# Altium PCB Mutiple.PcbDoc (part 3 of 3)
Units mil, origin at the board's own origin, x right, y up, seen from the top; angles counter-clockwise.
Board outline 6720 x 5120 mil, 2 copper layers (Top Layer, Bottom Layer); 565 components, 296 nets, 1281 pads, 171 vias.
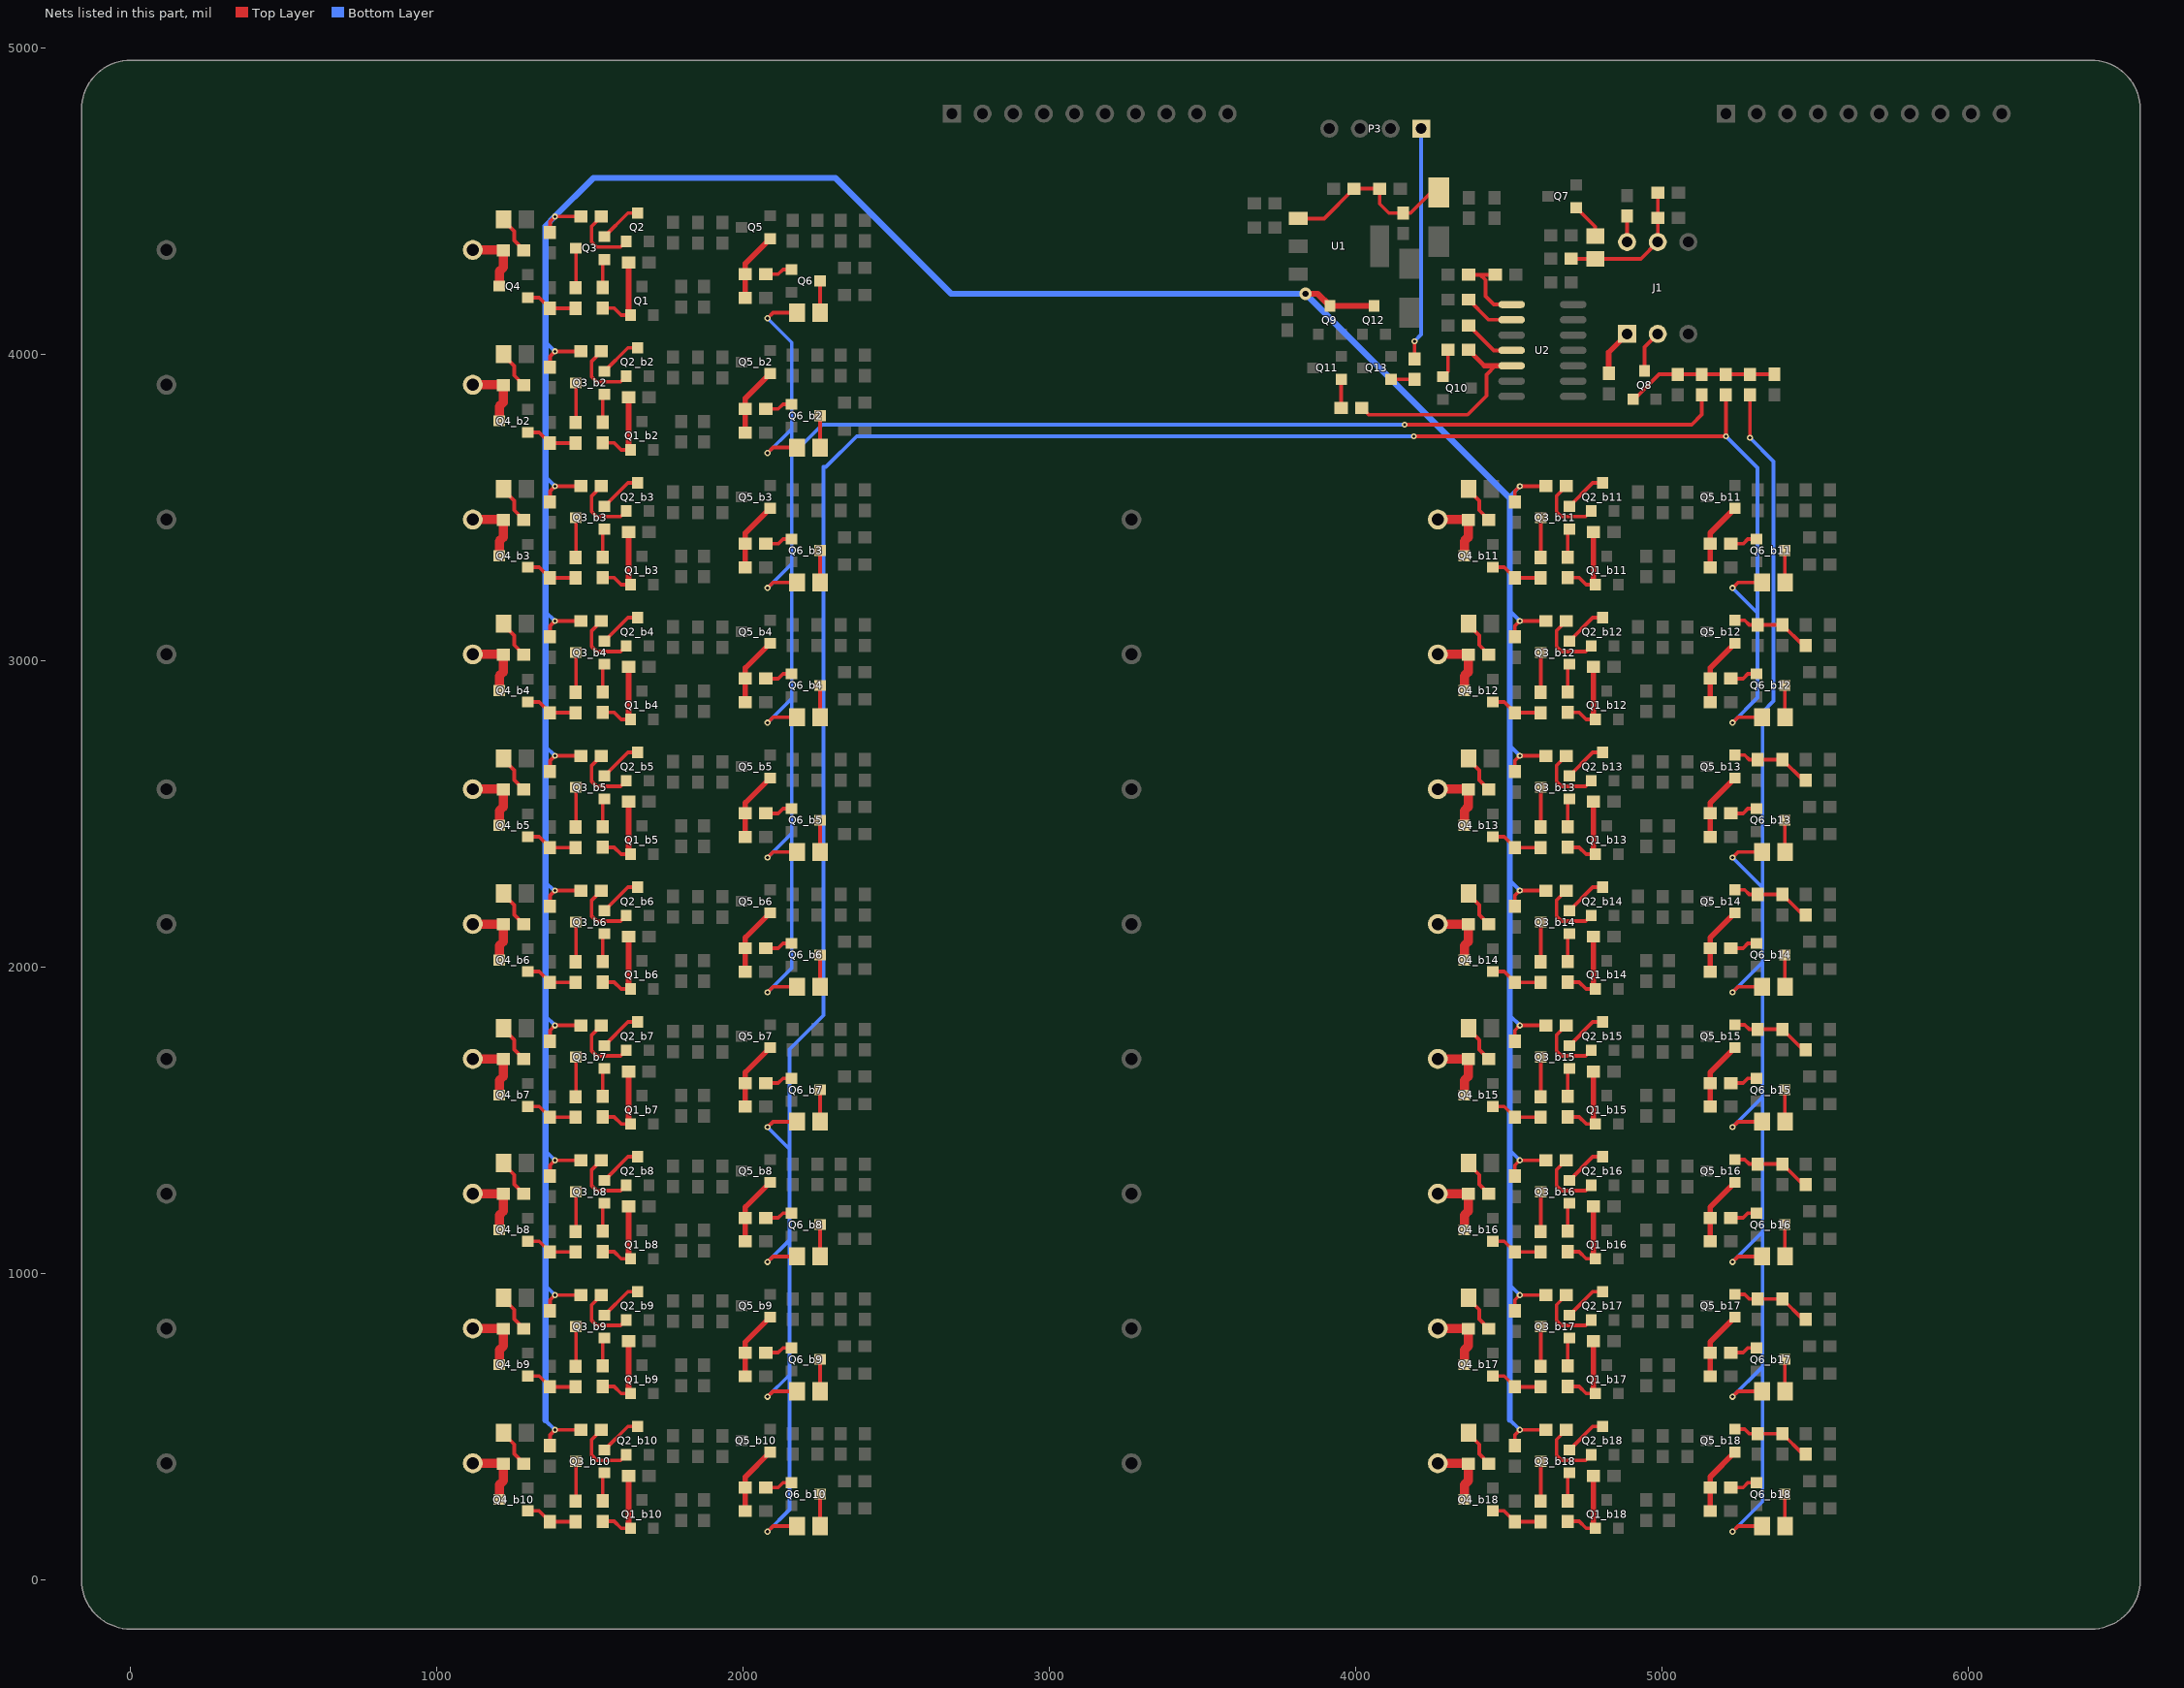
[diagram p3: the nets of this part, all layers, seen from the top]

## Via types
v1: diameter 20, hole 10, Top Layer to Bottom Layer, 107 vias
v2: diameter 40, hole 20, Top Layer to Bottom Layer, 60 vias
v3: diameter 125.98, hole 125.98, Top Layer to Bottom Layer, 4 vias

## Nets (pads, with @x,y where several pads share a name; then routed paths per layer and width w, separated by ;. In a path a pad name is that pad's centre, name@x,y a point inside that pad or via, vN(x,y) a via of type N, cw(c..) or ccw(c..) an arc to the next point about the centre after c; other vN are vias at no path point) (continued)
NetC6_b12_2: C6_b12.2 Q5_b12.2 R11_b12.1 R12_b12.2 | length 264.7
  Top Layer w12: Q5_b12.2@5237.26,3132.4 5268.6,3132.4 5283.54,3117.46 C6_b12.2@5311,3117.46 R12_b12.2@5392,3117.46 5458.93,3050.54 R11_b12.1@5468,3050.54
NetC6_b13_2: C6_b13.2 Q5_b13.2 R11_b13.1 R12_b13.2 | length 264.7
  Top Layer w12: Q5_b13.2@5237.26,2692.4 5268.6,2692.4 5283.54,2677.46 C6_b13.2@5311,2677.46 R12_b13.2@5392,2677.46 5458.93,2610.54 R11_b13.1@5468,2610.54
NetC6_b14_2: C6_b14.2 Q5_b14.2 R11_b14.1 R12_b14.2 | length 264.7
  Top Layer w12: Q5_b14.2@5237.26,2252.4 5268.6,2252.4 5283.54,2237.46 C6_b14.2@5311,2237.46 R12_b14.2@5392,2237.46 5458.93,2170.54 R11_b14.1@5468,2170.54
NetC6_b15_2: C6_b15.2 Q5_b15.2 R11_b15.1 R12_b15.2 | length 264.7
  Top Layer w12: Q5_b15.2@5237.26,1812.4 5268.6,1812.4 5283.54,1797.46 C6_b15.2@5311,1797.46 R12_b15.2@5392,1797.46 5458.93,1730.54 R11_b15.1@5468,1730.54
NetC6_b16_2: C6_b16.2 Q5_b16.2 R11_b16.1 R12_b16.2 | length 264.7
  Top Layer w12: Q5_b16.2@5237.26,1372.4 5268.6,1372.4 5283.54,1357.46 C6_b16.2@5311,1357.46 R12_b16.2@5392,1357.46 5458.93,1290.54 R11_b16.1@5468,1290.54
NetC6_b17_2: C6_b17.2 Q5_b17.2 R11_b17.1 R12_b17.2 | length 264.7
  Top Layer w12: Q5_b17.2@5237.26,932.4 5268.6,932.4 5283.54,917.46 C6_b17.2@5311,917.46 R12_b17.2@5392,917.46 5458.93,850.54 R11_b17.1@5468,850.54
NetC6_b18_2: C6_b18.2 Q5_b18.2 R11_b18.1 R12_b18.2 | length 264.7
  Top Layer w12: Q5_b18.2@5237.26,492.4 5268.6,492.4 5283.54,477.46 C6_b18.2@5311,477.46 R12_b18.2@5392,477.46 5458.93,410.54 R11_b18.1@5468,410.54
NetC11_2: C11.2 C15.1 D3.1 J1.5 R18.1 | length 466.5
  Top Layer w12: R18.1@4702.46,4312 4930,4312 J1.5@4985,4367 4985.54,4367.54 C11.2@4985.54,4446 C15.1@4985.54,4528
NetC12_2: C12.2 D4.1 R19.2 R20.1 U1.1 | length 588.8
  Top Layer w12: U1.1@3811.13,4443.55 3896.02,4443.55 C12.2@3993.46,4541 R20.1@4077.54,4541 4077.54,4491.46 4107.54,4461.46 R19.2@4154,4461.46 4177.46,4461.46 4244,4528 D4.1@4270,4528
NetC13_2: C13.2 R21.1 U2.1 | length 260.3
  Top Layer w12: R21.1@4367.46,4260 4406,4260 ; C13.2@4454.54,4260 4406,4260 ; U2.1@4508,4163 4450,4163 4423,4190 4423,4243 4406,4260
NetC16_1: C16.1 Q8.1 R22.2 R23.2 R24.2 R25.2 | length 494.5
  Top Layer w12: Q8.1@4904.6,3853.74 4908.52,3853.74 4989.71,3934.93 R22.2@5050,3934.93 R23.2@5128.67,3934.93 R24.2@5207.33,3934.93 R25.2@5286,3934.93 C16.1@5365.46,3934.93
NetD1_2: D1.2 R10.2 | length 128.3
  Top Layer w12: D1.2@1217.6,4441 1217.6,4436.87 1252,4402.47 1252,4371.46 R10.2@1283.46,4340
NetD1_b2_2: D1_b2.2 R10_b2.2 | length 128.3
  Top Layer w12: D1_b2.2@1217.6,4001 1217.6,3996.87 1252,3962.47 1252,3931.46 R10_b2.2@1283.46,3900
NetD1_b3_2: D1_b3.2 R10_b3.2 | length 128.3
  Top Layer w12: D1_b3.2@1217.6,3561 1217.6,3556.87 1252,3522.47 1252,3491.46 R10_b3.2@1283.46,3460
NetD1_b4_2: D1_b4.2 R10_b4.2 | length 128.3
  Top Layer w12: D1_b4.2@1217.6,3121 1217.6,3116.87 1252,3082.47 1252,3051.46 R10_b4.2@1283.46,3020
NetD1_b5_2: D1_b5.2 R10_b5.2 | length 128.3
  Top Layer w12: D1_b5.2@1217.6,2681 1217.6,2676.87 1252,2642.47 1252,2611.46 R10_b5.2@1283.46,2580
NetD1_b6_2: D1_b6.2 R10_b6.2 | length 128.3
  Top Layer w12: D1_b6.2@1217.6,2241 1217.6,2236.87 1252,2202.47 1252,2171.46 R10_b6.2@1283.46,2140
NetD1_b7_2: D1_b7.2 R10_b7.2 | length 128.3
  Top Layer w12: D1_b7.2@1217.6,1801 1217.6,1796.87 1252,1762.47 1252,1731.46 R10_b7.2@1283.46,1700
NetD1_b8_2: D1_b8.2 R10_b8.2 | length 128.3
  Top Layer w12: D1_b8.2@1217.6,1361 1217.6,1356.87 1252,1322.47 1252,1291.46 R10_b8.2@1283.46,1260
NetD1_b9_2: D1_b9.2 R10_b9.2 | length 128.3
  Top Layer w12: D1_b9.2@1217.6,921 1217.6,916.87 1252,882.47 1252,851.46 R10_b9.2@1283.46,820
NetD1_b10_2: D1_b10.2 R10_b10.2 | length 128.3
  Top Layer w12: D1_b10.2@1217.6,481 1217.6,476.87 1252,442.47 1252,411.46 R10_b10.2@1283.46,380
NetD1_b11_2: D1_b11.2 R10_b11.2 | length 128.3
  Top Layer w12: D1_b11.2@4367.6,3561 4367.6,3556.87 4402,3522.47 4402,3491.46 R10_b11.2@4433.46,3460
NetD1_b12_2: D1_b12.2 R10_b12.2 | length 128.3
  Top Layer w12: D1_b12.2@4367.6,3121 4367.6,3116.87 4402,3082.47 4402,3051.46 R10_b12.2@4433.46,3020
NetD1_b13_2: D1_b13.2 R10_b13.2 | length 128.3
  Top Layer w12: D1_b13.2@4367.6,2681 4367.6,2676.87 4402,2642.47 4402,2611.46 R10_b13.2@4433.46,2580
NetD1_b14_2: D1_b14.2 R10_b14.2 | length 128.3
  Top Layer w12: D1_b14.2@4367.6,2241 4367.6,2236.87 4402,2202.47 4402,2171.46 R10_b14.2@4433.46,2140
NetD1_b15_2: D1_b15.2 R10_b15.2 | length 128.3
  Top Layer w12: D1_b15.2@4367.6,1801 4367.6,1796.87 4402,1762.47 4402,1731.46 R10_b15.2@4433.46,1700
NetD1_b16_2: D1_b16.2 R10_b16.2 | length 128.3
  Top Layer w12: D1_b16.2@4367.6,1361 4367.6,1356.87 4402,1322.47 4402,1291.46 R10_b16.2@4433.46,1260
NetD1_b17_2: D1_b17.2 R10_b17.2 | length 128.3
  Top Layer w12: D1_b17.2@4367.6,921 4367.6,916.87 4402,882.47 4402,851.46 R10_b17.2@4433.46,820
NetD1_b18_2: D1_b18.2 R10_b18.2 | length 128.3
  Top Layer w12: D1_b18.2@4367.6,481 4367.6,476.87 4402,442.47 4402,411.46 R10_b18.2@4433.46,380
NetD2_1: D2.1 Q6.3 | length 103.9
  Top Layer w12: D2.1@2250.26,4136.14 Q6.3@2250.26,4240
NetD2_b2_1: D2_b2.1 Q6_b2.3 | length 103.9
  Top Layer w12: D2_b2.1@2250.26,3696.14 Q6_b2.3@2250.26,3800
NetD2_b3_1: D2_b3.1 Q6_b3.3 | length 103.9
  Top Layer w12: D2_b3.1@2250.26,3256.14 Q6_b3.3@2250.26,3360
NetD2_b4_1: D2_b4.1 Q6_b4.3 | length 103.9
  Top Layer w12: D2_b4.1@2250.26,2816.14 Q6_b4.3@2250.26,2920
NetD2_b5_1: D2_b5.1 Q6_b5.3 | length 103.9
  Top Layer w12: D2_b5.1@2250.26,2376.14 Q6_b5.3@2250.26,2480
NetD2_b6_1: D2_b6.1 Q6_b6.3 | length 103.9
  Top Layer w12: D2_b6.1@2250.26,1936.14 Q6_b6.3@2250.26,2040
NetD2_b7_1: D2_b7.1 Q6_b7.3 | length 103.9
  Top Layer w12: D2_b7.1@2250.26,1496.14 Q6_b7.3@2250.26,1600
NetD2_b8_1: D2_b8.1 Q6_b8.3 | length 103.9
  Top Layer w12: D2_b8.1@2250.26,1056.14 Q6_b8.3@2250.26,1160
NetD2_b9_1: D2_b9.1 Q6_b9.3 | length 103.9
  Top Layer w12: D2_b9.1@2250.26,616.14 Q6_b9.3@2250.26,720
NetD2_b10_1: D2_b10.1 Q6_b10.3 | length 103.9
  Top Layer w12: D2_b10.1@2250.26,176.14 Q6_b10.3@2250.26,280
NetD2_b11_1: D2_b11.1 Q6_b11.3 | length 103.9
  Top Layer w12: D2_b11.1@5400.26,3256.14 Q6_b11.3@5400.26,3360
NetD2_b12_1: D2_b12.1 Q6_b12.3 | length 103.9
  Top Layer w12: D2_b12.1@5400.26,2816.14 Q6_b12.3@5400.26,2920
NetD2_b13_1: D2_b13.1 Q6_b13.3 | length 103.9
  Top Layer w12: D2_b13.1@5400.26,2376.14 Q6_b13.3@5400.26,2480
NetD2_b14_1: D2_b14.1 Q6_b14.3 | length 103.9
  Top Layer w12: D2_b14.1@5400.26,1936.14 Q6_b14.3@5400.26,2040
NetD2_b15_1: D2_b15.1 Q6_b15.3 | length 103.9
  Top Layer w12: D2_b15.1@5400.26,1496.14 Q6_b15.3@5400.26,1600
NetD2_b16_1: D2_b16.1 Q6_b16.3 | length 103.9
  Top Layer w12: D2_b16.1@5400.26,1056.14 Q6_b16.3@5400.26,1160
NetD2_b17_1: D2_b17.1 Q6_b17.3 | length 103.9
  Top Layer w12: D2_b17.1@5400.26,616.14 Q6_b17.3@5400.26,720
NetD2_b18_1: D2_b18.1 Q6_b18.3 | length 103.9
  Top Layer w12: D2_b18.1@5400.26,176.14 Q6_b18.3@5400.26,280
NetD3_2: D3.2 Q7.1 | length 117.8
  Top Layer w12: Q7.1@4719.26,4478.6 4781,4416.86 D3.2@4781,4386.4
NetJ1_1: J1.1 R16.2 | length 153.4
  Top Layer w18: R16.2@4825,3938.46 4825,4007 J1.1@4885,4067
NetJ1_2: J1.2 Q8.3 | length 138.6
  Top Layer w12: Q8.3@4942,3946.26 4942,4024 J1.2@4985,4067
NetJ1_6: J1.6 R17.1 | length 84.5
  Top Layer w12: J1.6@4885,4367 R17.1@4885,4451.54
NetQ1_1: Q1.1 R3.1 R6.2 | length 273.8
  Top Layer w12: R6.2@1541,4151.54 1578.46,4151.54 1601.26,4128.74 Q1.1@1631.6,4128.74
  Top Layer w18: R3.1@1625.54,4300 1625.54,4134.8 Q1.1@1631.6,4128.74
NetQ1_b2_1: Q1_b2.1 R3_b2.1 R6_b2.2 | length 273.8
  Top Layer w12: R6_b2.2@1541,3711.54 1578.46,3711.54 1601.26,3688.74 Q1_b2.1@1631.6,3688.74
  Top Layer w18: R3_b2.1@1625.54,3860 1625.54,3694.8 Q1_b2.1@1631.6,3688.74
NetQ1_b3_1: Q1_b3.1 R3_b3.1 R6_b3.2 | length 273.8
  Top Layer w12: R6_b3.2@1541,3271.54 1578.46,3271.54 1601.26,3248.74 Q1_b3.1@1631.6,3248.74
  Top Layer w18: R3_b3.1@1625.54,3420 1625.54,3254.8 Q1_b3.1@1631.6,3248.74
NetQ1_b4_1: Q1_b4.1 R3_b4.1 R6_b4.2 | length 273.8
  Top Layer w12: R6_b4.2@1541,2831.54 1578.46,2831.54 1601.26,2808.74 Q1_b4.1@1631.6,2808.74
  Top Layer w18: R3_b4.1@1625.54,2980 1625.54,2814.8 Q1_b4.1@1631.6,2808.74
NetQ1_b5_1: Q1_b5.1 R3_b5.1 R6_b5.2 | length 273.8
  Top Layer w12: R6_b5.2@1541,2391.54 1578.46,2391.54 1601.26,2368.74 Q1_b5.1@1631.6,2368.74
  Top Layer w18: R3_b5.1@1625.54,2540 1625.54,2374.8 Q1_b5.1@1631.6,2368.74
NetQ1_b6_1: Q1_b6.1 R3_b6.1 R6_b6.2 | length 273.8
  Top Layer w12: R6_b6.2@1541,1951.54 1578.46,1951.54 1601.26,1928.74 Q1_b6.1@1631.6,1928.74
  Top Layer w18: R3_b6.1@1625.54,2100 1625.54,1934.8 Q1_b6.1@1631.6,1928.74
NetQ1_b7_1: Q1_b7.1 R3_b7.1 R6_b7.2 | length 273.8
  Top Layer w12: R6_b7.2@1541,1511.54 1578.46,1511.54 1601.26,1488.74 Q1_b7.1@1631.6,1488.74
  Top Layer w18: R3_b7.1@1625.54,1660 1625.54,1494.8 Q1_b7.1@1631.6,1488.74
NetQ1_b8_1: Q1_b8.1 R3_b8.1 R6_b8.2 | length 273.8
  Top Layer w12: R6_b8.2@1541,1071.54 1578.46,1071.54 1601.26,1048.74 Q1_b8.1@1631.6,1048.74
  Top Layer w18: R3_b8.1@1625.54,1220 1625.54,1054.8 Q1_b8.1@1631.6,1048.74
NetQ1_b9_1: Q1_b9.1 R3_b9.1 R6_b9.2 | length 273.8
  Top Layer w12: R6_b9.2@1541,631.54 1578.46,631.54 1601.26,608.74 Q1_b9.1@1631.6,608.74
  Top Layer w18: R3_b9.1@1625.54,780 1625.54,614.8 Q1_b9.1@1631.6,608.74
NetQ1_b10_1: Q1_b10.1 R3_b10.1 R6_b10.2 | length 273.8
  Top Layer w12: R6_b10.2@1541,191.54 1578.46,191.54 1601.26,168.74 Q1_b10.1@1631.6,168.74
  Top Layer w18: R3_b10.1@1625.54,340 1625.54,174.8 Q1_b10.1@1631.6,168.74
NetQ1_b11_1: Q1_b11.1 R3_b11.1 R6_b11.2 | length 273.8
  Top Layer w12: R6_b11.2@4691,3271.54 4728.46,3271.54 4751.26,3248.74 Q1_b11.1@4781.6,3248.74
  Top Layer w18: R3_b11.1@4775.54,3420 4775.54,3254.8 Q1_b11.1@4781.6,3248.74
NetQ1_b12_1: Q1_b12.1 R3_b12.1 R6_b12.2 | length 273.8
  Top Layer w12: R6_b12.2@4691,2831.54 4728.46,2831.54 4751.26,2808.74 Q1_b12.1@4781.6,2808.74
  Top Layer w18: R3_b12.1@4775.54,2980 4775.54,2814.8 Q1_b12.1@4781.6,2808.74
NetQ1_b13_1: Q1_b13.1 R3_b13.1 R6_b13.2 | length 273.8
  Top Layer w12: R6_b13.2@4691,2391.54 4728.46,2391.54 4751.26,2368.74 Q1_b13.1@4781.6,2368.74
  Top Layer w18: R3_b13.1@4775.54,2540 4775.54,2374.8 Q1_b13.1@4781.6,2368.74
NetQ1_b14_1: Q1_b14.1 R3_b14.1 R6_b14.2 | length 273.8
  Top Layer w12: R6_b14.2@4691,1951.54 4728.46,1951.54 4751.26,1928.74 Q1_b14.1@4781.6,1928.74
  Top Layer w18: R3_b14.1@4775.54,2100 4775.54,1934.8 Q1_b14.1@4781.6,1928.74
NetQ1_b15_1: Q1_b15.1 R3_b15.1 R6_b15.2 | length 273.8
  Top Layer w12: R6_b15.2@4691,1511.54 4728.46,1511.54 4751.26,1488.74 Q1_b15.1@4781.6,1488.74
  Top Layer w18: R3_b15.1@4775.54,1660 4775.54,1494.8 Q1_b15.1@4781.6,1488.74
NetQ1_b16_1: Q1_b16.1 R3_b16.1 R6_b16.2 | length 273.8
  Top Layer w12: R6_b16.2@4691,1071.54 4728.46,1071.54 4751.26,1048.74 Q1_b16.1@4781.6,1048.74
  Top Layer w18: R3_b16.1@4775.54,1220 4775.54,1054.8 Q1_b16.1@4781.6,1048.74
NetQ1_b17_1: Q1_b17.1 R3_b17.1 R6_b17.2 | length 273.8
  Top Layer w12: R6_b17.2@4691,631.54 4728.46,631.54 4751.26,608.74 Q1_b17.1@4781.6,608.74
  Top Layer w18: R3_b17.1@4775.54,780 4775.54,614.8 Q1_b17.1@4781.6,608.74
NetQ1_b18_1: Q1_b18.1 R3_b18.1 R6_b18.2 | length 273.8
  Top Layer w12: R6_b18.2@4691,191.54 4728.46,191.54 4751.26,168.74 Q1_b18.1@4781.6,168.74
  Top Layer w18: R3_b18.1@4775.54,340 4775.54,174.8 Q1_b18.1@4781.6,168.74
NetQ2_1: Q2.1 R5.1 | length 223.1
  Top Layer w12: R5.1@1536.46,4450 1505,4418.54 1505,4366.62 1520.93,4350.69 1599.54,4350.69 Q2.1@1617.6,4368.74
NetQ2_3: Q2.3 Q3.2 | length 140.6
  Top Layer w12: Q3.2@1546.26,4384.4 1623.12,4461.26 Q2.3@1655,4461.26
NetQ2_b2_1: Q2_b2.1 R5_b2.1 | length 223.1
  Top Layer w12: R5_b2.1@1536.46,4010 1505,3978.54 1505,3926.62 1520.93,3910.69 1599.54,3910.69 Q2_b2.1@1617.6,3928.74
NetQ2_b2_3: Q2_b2.3 Q3_b2.2 | length 140.6
  Top Layer w12: Q3_b2.2@1546.26,3944.4 1623.12,4021.26 Q2_b2.3@1655,4021.26
NetQ2_b3_1: Q2_b3.1 R5_b3.1 | length 223.1
  Top Layer w12: R5_b3.1@1536.46,3570 1505,3538.54 1505,3486.62 1520.93,3470.69 1599.54,3470.69 Q2_b3.1@1617.6,3488.74
NetQ2_b3_3: Q2_b3.3 Q3_b3.2 | length 140.6
  Top Layer w12: Q3_b3.2@1546.26,3504.4 1623.12,3581.26 Q2_b3.3@1655,3581.26
NetQ2_b4_1: Q2_b4.1 R5_b4.1 | length 223.1
  Top Layer w12: R5_b4.1@1536.46,3130 1505,3098.54 1505,3046.62 1520.93,3030.69 1599.54,3030.69 Q2_b4.1@1617.6,3048.74
NetQ2_b4_3: Q2_b4.3 Q3_b4.2 | length 140.6
  Top Layer w12: Q3_b4.2@1546.26,3064.4 1623.12,3141.26 Q2_b4.3@1655,3141.26
NetQ2_b5_1: Q2_b5.1 R5_b5.1 | length 223.1
  Top Layer w12: R5_b5.1@1536.46,2690 1505,2658.54 1505,2606.62 1520.93,2590.69 1599.54,2590.69 Q2_b5.1@1617.6,2608.74
NetQ2_b5_3: Q2_b5.3 Q3_b5.2 | length 140.6
  Top Layer w12: Q3_b5.2@1546.26,2624.4 1623.12,2701.26 Q2_b5.3@1655,2701.26
NetQ2_b6_1: Q2_b6.1 R5_b6.1 | length 223.1
  Top Layer w12: R5_b6.1@1536.46,2250 1505,2218.54 1505,2166.62 1520.93,2150.69 1599.54,2150.69 Q2_b6.1@1617.6,2168.74
NetQ2_b6_3: Q2_b6.3 Q3_b6.2 | length 140.6
  Top Layer w12: Q3_b6.2@1546.26,2184.4 1623.12,2261.26 Q2_b6.3@1655,2261.26
NetQ2_b7_1: Q2_b7.1 R5_b7.1 | length 223.1
  Top Layer w12: R5_b7.1@1536.46,1810 1505,1778.54 1505,1726.62 1520.93,1710.69 1599.54,1710.69 Q2_b7.1@1617.6,1728.74
NetQ2_b7_3: Q2_b7.3 Q3_b7.2 | length 140.6
  Top Layer w12: Q3_b7.2@1546.26,1744.4 1623.12,1821.26 Q2_b7.3@1655,1821.26
NetQ2_b8_1: Q2_b8.1 R5_b8.1 | length 223.1
  Top Layer w12: R5_b8.1@1536.46,1370 1505,1338.54 1505,1286.62 1520.93,1270.69 1599.54,1270.69 Q2_b8.1@1617.6,1288.74
NetQ2_b8_3: Q2_b8.3 Q3_b8.2 | length 140.6
  Top Layer w12: Q3_b8.2@1546.26,1304.4 1623.12,1381.26 Q2_b8.3@1655,1381.26
NetQ2_b9_1: Q2_b9.1 R5_b9.1 | length 223.1
  Top Layer w12: R5_b9.1@1536.46,930 1505,898.54 1505,846.62 1520.93,830.69 1599.54,830.69 Q2_b9.1@1617.6,848.74
NetQ2_b9_3: Q2_b9.3 Q3_b9.2 | length 140.6
  Top Layer w12: Q3_b9.2@1546.26,864.4 1623.12,941.26 Q2_b9.3@1655,941.26
NetQ2_b10_1: Q2_b10.1 R5_b10.1 | length 223.1
  Top Layer w12: R5_b10.1@1536.46,490 1505,458.54 1505,406.62 1520.93,390.69 1599.54,390.69 Q2_b10.1@1617.6,408.74
NetQ2_b10_3: Q2_b10.3 Q3_b10.2 | length 140.6
  Top Layer w12: Q3_b10.2@1546.26,424.4 1623.12,501.26 Q2_b10.3@1655,501.26
NetQ2_b11_1: Q2_b11.1 R5_b11.1 | length 223.1
  Top Layer w12: R5_b11.1@4686.46,3570 4655,3538.54 4655,3486.62 4670.93,3470.69 4749.54,3470.69 Q2_b11.1@4767.6,3488.74
NetQ2_b11_3: Q2_b11.3 Q3_b11.2 | length 140.6
  Top Layer w12: Q3_b11.2@4696.26,3504.4 4773.12,3581.26 Q2_b11.3@4805,3581.26
NetQ2_b12_1: Q2_b12.1 R5_b12.1 | length 223.1
  Top Layer w12: R5_b12.1@4686.46,3130 4655,3098.54 4655,3046.62 4670.93,3030.69 4749.54,3030.69 Q2_b12.1@4767.6,3048.74
NetQ2_b12_3: Q2_b12.3 Q3_b12.2 | length 140.6
  Top Layer w12: Q3_b12.2@4696.26,3064.4 4773.12,3141.26 Q2_b12.3@4805,3141.26
NetQ2_b13_1: Q2_b13.1 R5_b13.1 | length 223.1
  Top Layer w12: R5_b13.1@4686.46,2690 4655,2658.54 4655,2606.62 4670.93,2590.69 4749.54,2590.69 Q2_b13.1@4767.6,2608.74
NetQ2_b13_3: Q2_b13.3 Q3_b13.2 | length 140.6
  Top Layer w12: Q3_b13.2@4696.26,2624.4 4773.12,2701.26 Q2_b13.3@4805,2701.26
NetQ2_b14_1: Q2_b14.1 R5_b14.1 | length 223.1
  Top Layer w12: R5_b14.1@4686.46,2250 4655,2218.54 4655,2166.62 4670.93,2150.69 4749.54,2150.69 Q2_b14.1@4767.6,2168.74
NetQ2_b14_3: Q2_b14.3 Q3_b14.2 | length 140.6
  Top Layer w12: Q3_b14.2@4696.26,2184.4 4773.12,2261.26 Q2_b14.3@4805,2261.26
NetQ2_b15_1: Q2_b15.1 R5_b15.1 | length 223.1
  Top Layer w12: R5_b15.1@4686.46,1810 4655,1778.54 4655,1726.62 4670.93,1710.69 4749.54,1710.69 Q2_b15.1@4767.6,1728.74
NetQ2_b15_3: Q2_b15.3 Q3_b15.2 | length 140.6
  Top Layer w12: Q3_b15.2@4696.26,1744.4 4773.12,1821.26 Q2_b15.3@4805,1821.26
NetQ2_b16_1: Q2_b16.1 R5_b16.1 | length 223.1
  Top Layer w12: R5_b16.1@4686.46,1370 4655,1338.54 4655,1286.62 4670.93,1270.69 4749.54,1270.69 Q2_b16.1@4767.6,1288.74